# KiCad board anavi-dev-mic.kicad_pcb
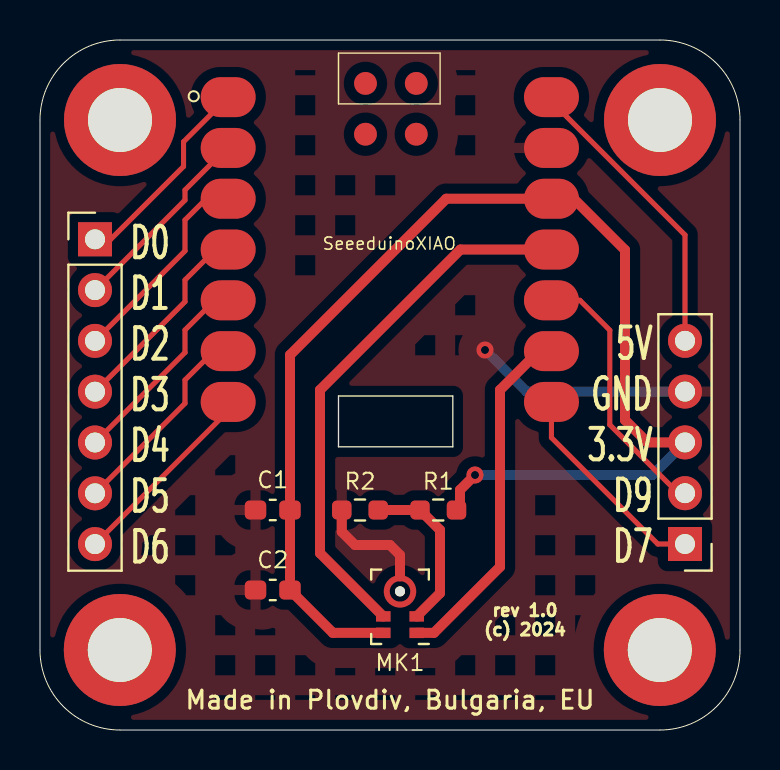
[diagram p0: board, top side]
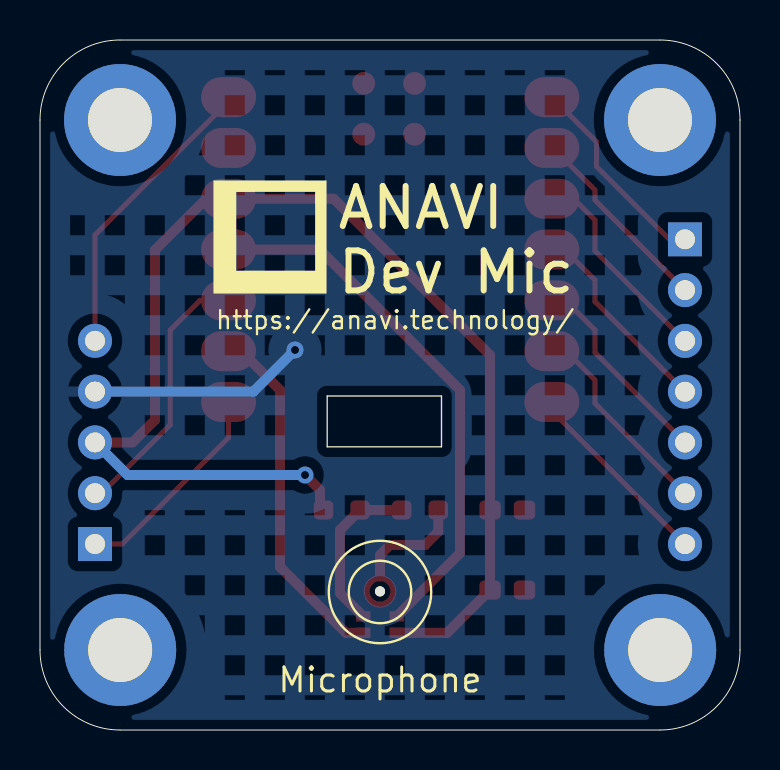
[diagram p1: board, bottom side, seen from below]

Outline 35 x 34.5 mm; copper layers: Top, Bottom. Coordinates in mm from the lower left corner of the outline.
Outline path: 0,30.5 arc(1.17,33.33) 4,34.5 31,34.5 arc(33.83,33.33) 35,30.5 35,4 arc(33.83,1.17) 31,0 4,0 arc(1.17,1.17) 0,4 0,30.5
Stack: Top 0.035mm / dielectric 1.51mm FR4 er 4.5 / Bottom 0.035mm

## Placement (name value [footprint] x y rotation side)
C1  1uF  [C_0603_1608Metric_Pad1.08x0.95mm_HandSolder]  11.64 11 180 top
C2  0.1uF  [C_0603_1608Metric_Pad1.08x0.95mm_HandSolder]  11.64 7 180 top
G***  LOGO  [anavi-logo]  23.5 24.65 0 top
J1  Conn_01x07_Male  [PinHeader_1x07_P2.54mm_Vertical]  2.75 24.53 0 top
J2  Conn_01x05_Male  [PinHeader_1x05_P2.54mm_Vertical]  32.25 9.3 180 top
MK1  MP23DB01HPTR  [Knowles_LGA-5_3.5x2.65mm]  18 6.16 180 top
R1  N/A  [R_0603_1608Metric_Pad0.98x0.95mm_HandSolder]  19.91 11 0 top
R2  10K  [R_0603_1608Metric_Pad0.98x0.95mm_HandSolder]  16 11 0 top
REF**  -  [MountingHole_3.2mm_M3_DIN965_Pad]  4 30.5 0 top
REF**#2  MountingHole_3.2mm_M3_DIN965_Pad  [MountingHole_3.2mm_M3_DIN965_Pad#2]  31 30.5 0 top
REF**#3  MountingHole_3.2mm_M3_DIN965_Pad  [MountingHole_3.2mm_M3_DIN965_Pad#3]  3.99 4 0 top
REF**#4  MountingHole_3.2mm_M3_DIN965_Pad  [MountingHole_3.2mm_M3_DIN965_Pad#4]  30.99 4 0 top
U1  SeeeduinoXIAO  [Seeeduino XIAO-MOUDLE14P-2.54-21X17.8MM]  8.58 13.53 0 top

## Footprints (pads in the part's own frame, mm; a bottom-side part is the same pattern mirrored in y, then rotated)
C_0603_1608Metric_Pad1.08x0.95mm_HandSolder
  rrect 1.075x0.95 smd: 1(-0.863,0) 2(0.863,0)
Knowles_LGA-5_3.5x2.65mm
  round 0.5 hole 0.5 unplated: (0,-0.77)
  rect 0.725x0.522 smd: 1(-0.838,1.304) 2(-0.838,0.482) 4(0.838,0.482) 5(0.838,1.304)
  custom 1.625x1.625 smd: 3(0,-1.433)
MountingHole_3.2mm_M3_DIN965_Pad
  round 5.6 hole 3.2: 1(0,0)
MountingHole_3.2mm_M3_DIN965_Pad#2
  round 5.6 hole 3.2: 2(0,0)
MountingHole_3.2mm_M3_DIN965_Pad#3
  round 5.6 hole 3.2: 4(0,0)
MountingHole_3.2mm_M3_DIN965_Pad#4
  round 5.6 hole 3.2: 3(0,0)
PinHeader_1x05_P2.54mm_Vertical
  rect 1.7x1.7 hole 1: 1(0,0)
  oval 1.7x1.7 hole 1: 2(0,-2.54) 3(0,-5.08) 4(0,-7.62) 5(0,-10.16)
PinHeader_1x07_P2.54mm_Vertical
  rect 1.7x1.7 hole 1: 1(0,0)
  oval 1.7x1.7 hole 1: 2(0,-2.54) 3(0,-5.08) 4(0,-7.62) 5(0,-10.16) 6(0,-12.7) 7(0,-15.24)
R_0603_1608Metric_Pad0.98x0.95mm_HandSolder
  rrect 0.975x0.95 smd: 1(-0.912,0) 2(0.912,0)
Seeeduino XIAO-MOUDLE14P-2.54-21X17.8MM
  oval 2.748x1.999 smd: 1(0.833,18.118) 2(0.833,15.578) 3(0.833,13.038) 4(0.833,10.498) 5(0.833,7.958) 6(0.833,5.418) 7(0.833,2.878) 8(16.998,2.878) 9(16.998,5.418) 10(16.998,7.958) 11(16.998,10.498) 12(16.998,13.038) 13(16.998,15.578) 14(16.998,18.118)
  round 1.143 smd: 17(7.699,18.804) 18(10.239,18.804) 19(7.699,16.264) 20(10.239,16.264)

## Nets
+3V3: C1.1 C2.1 J2.3 MK1.5 R1.2 U1.12
GND: C1.2 C2.2 J2.4 MK1.3 R2.1 U1.13
Net-(J1-Pad1): J1.1 U1.1
Net-(J1-Pad2): J1.2 U1.2
Net-(J1-Pad3): J1.3 U1.3
Net-(J1-Pad4): J1.4 U1.4
Net-(J1-Pad5): J1.5 U1.5
Net-(J1-Pad6): J1.6 U1.6
Net-(J1-Pad7): J1.7 U1.7
Net-(J2-Pad1): J2.1 U1.8
Net-(J2-Pad2): J2.2 U1.10
Net-(J2-Pad5): J2.5 U1.14
Net-(MK1-Pad1): MK1.1 U1.9
Net-(MK1-Pad2): MK1.2 R1.1 R2.2
Net-(MK1-Pad4): MK1.4 U1.11

Pads without a net: REF** 1; REF**#2 2; REF**#3 4; REF**#4 3; U1 17 18 19 20

## Via types
v1: diameter 0.85, hole 0.4, Top to Bottom, 2 vias

## Routing (per net, layer and track width the routed paths; a pad name or vN(x,y) marks a point on that pad's centre or on a via; arc(x,y) is an arc through that point)
+3V3: length 63.6
  Top w0.5: J2.3 30.37,14.38 29.25,15.5 29.25,24 26.69,26.56 U1.12 20.31,26.56 12.5,18.75 C1.1 C2.1 14.64,4.86 MK1.5 ; R1.2 21,11.17 21,12 v1(21.75,12.75)
  Bottom w0.5: v1(21.75,12.75) 30.62,12.75 J2.3
GND: length 15.9
  Top w0.5: 18,7.68 18,8.75 17.5,9.25 15.75,9.25 15.09,9.91 R2.1
  Bottom w0.5: 31.74,16.92 24.33,16.92 v1(22.25,19)
Net-(J1-Pad1): length 10.3
  Top w0.254: J1.1 3.53,24.53 7.18,28.18 7.18,29.41 U1.1
Net-(J1-Pad2): length 9.8
  Top w0.254: J1.2 7.25,26.49 7.25,27 9.35,29.1
Net-(J1-Pad3): length 10.5
  Top w0.254: U1.3 8.31,26.56 7.25,25.5 7.25,23.95 J1.3
Net-(J1-Pad4): length 10.2
  Top w0.254: 2.75,16.92 7.25,21.41 7.25,22.5 8.77,24.02 U1.4
Net-(J1-Pad5): length 10.3
  Top w0.254: U1.5 8.73,21.48 7.25,20 7.25,18.88 J1.5
Net-(J1-Pad6): length 10.3
  Top w0.254: J1.6 7.25,16.33 7.25,17.5 8.69,18.94 U1.6
Net-(J1-Pad7): length 9.9
  Top w0.254: U1.7 9.41,15.95 J1.7
Net-(J2-Pad1): length 10.7
  Top w0.254: U1.8 25.57,14.62 30.89,9.3 J2.1
Net-(J2-Pad2): length 13.4
  Top w0.254: U1.10 27,21.48 28.49,19.99 28.49,15.26 31.91,11.84 J2.2
Net-(J2-Pad5): length 14.7
  Top w0.254: 25.57,31.43 32.25,24.75 J2.5
Net-(MK1-Pad1): length 17.7
  Top w0.5: U1.9 24.94,18.94 23,17 23,8.16 19.7,4.86 MK1.1
Net-(MK1-Pad2): length 8.3
  Top w0.5: MK1.2 20,6.84 20,10 R1.1 R2.2
Net-(MK1-Pad4): length 27.1
  Top w0.5: U1.11 21.02,24.02 14,17 14,8.84 MK1.4

## Copper pours and planes (outline as drawn; the poured copper is in the pictures)
GND on Top: 41,-59 -4,-59 -4,36 41,36
GND on Bottom: 41,-59 -4,-59 -4,36 41,36

## Text on the board
B.Silkscreen: https://anavi.technology/ | Microphone | ANAVI / Dev Mic
F.Silkscreen: rev 1.0 / (c) 2024 | Made in Plovdiv, Bulgaria, EU | D0 / D1 / D2 / D3 / D4 / D5 / D6 | 5V / GND / 3.3V / D9 / D7
